# Altium PCB top_LM358.PcbDoc (part 5 of 6) (continued)
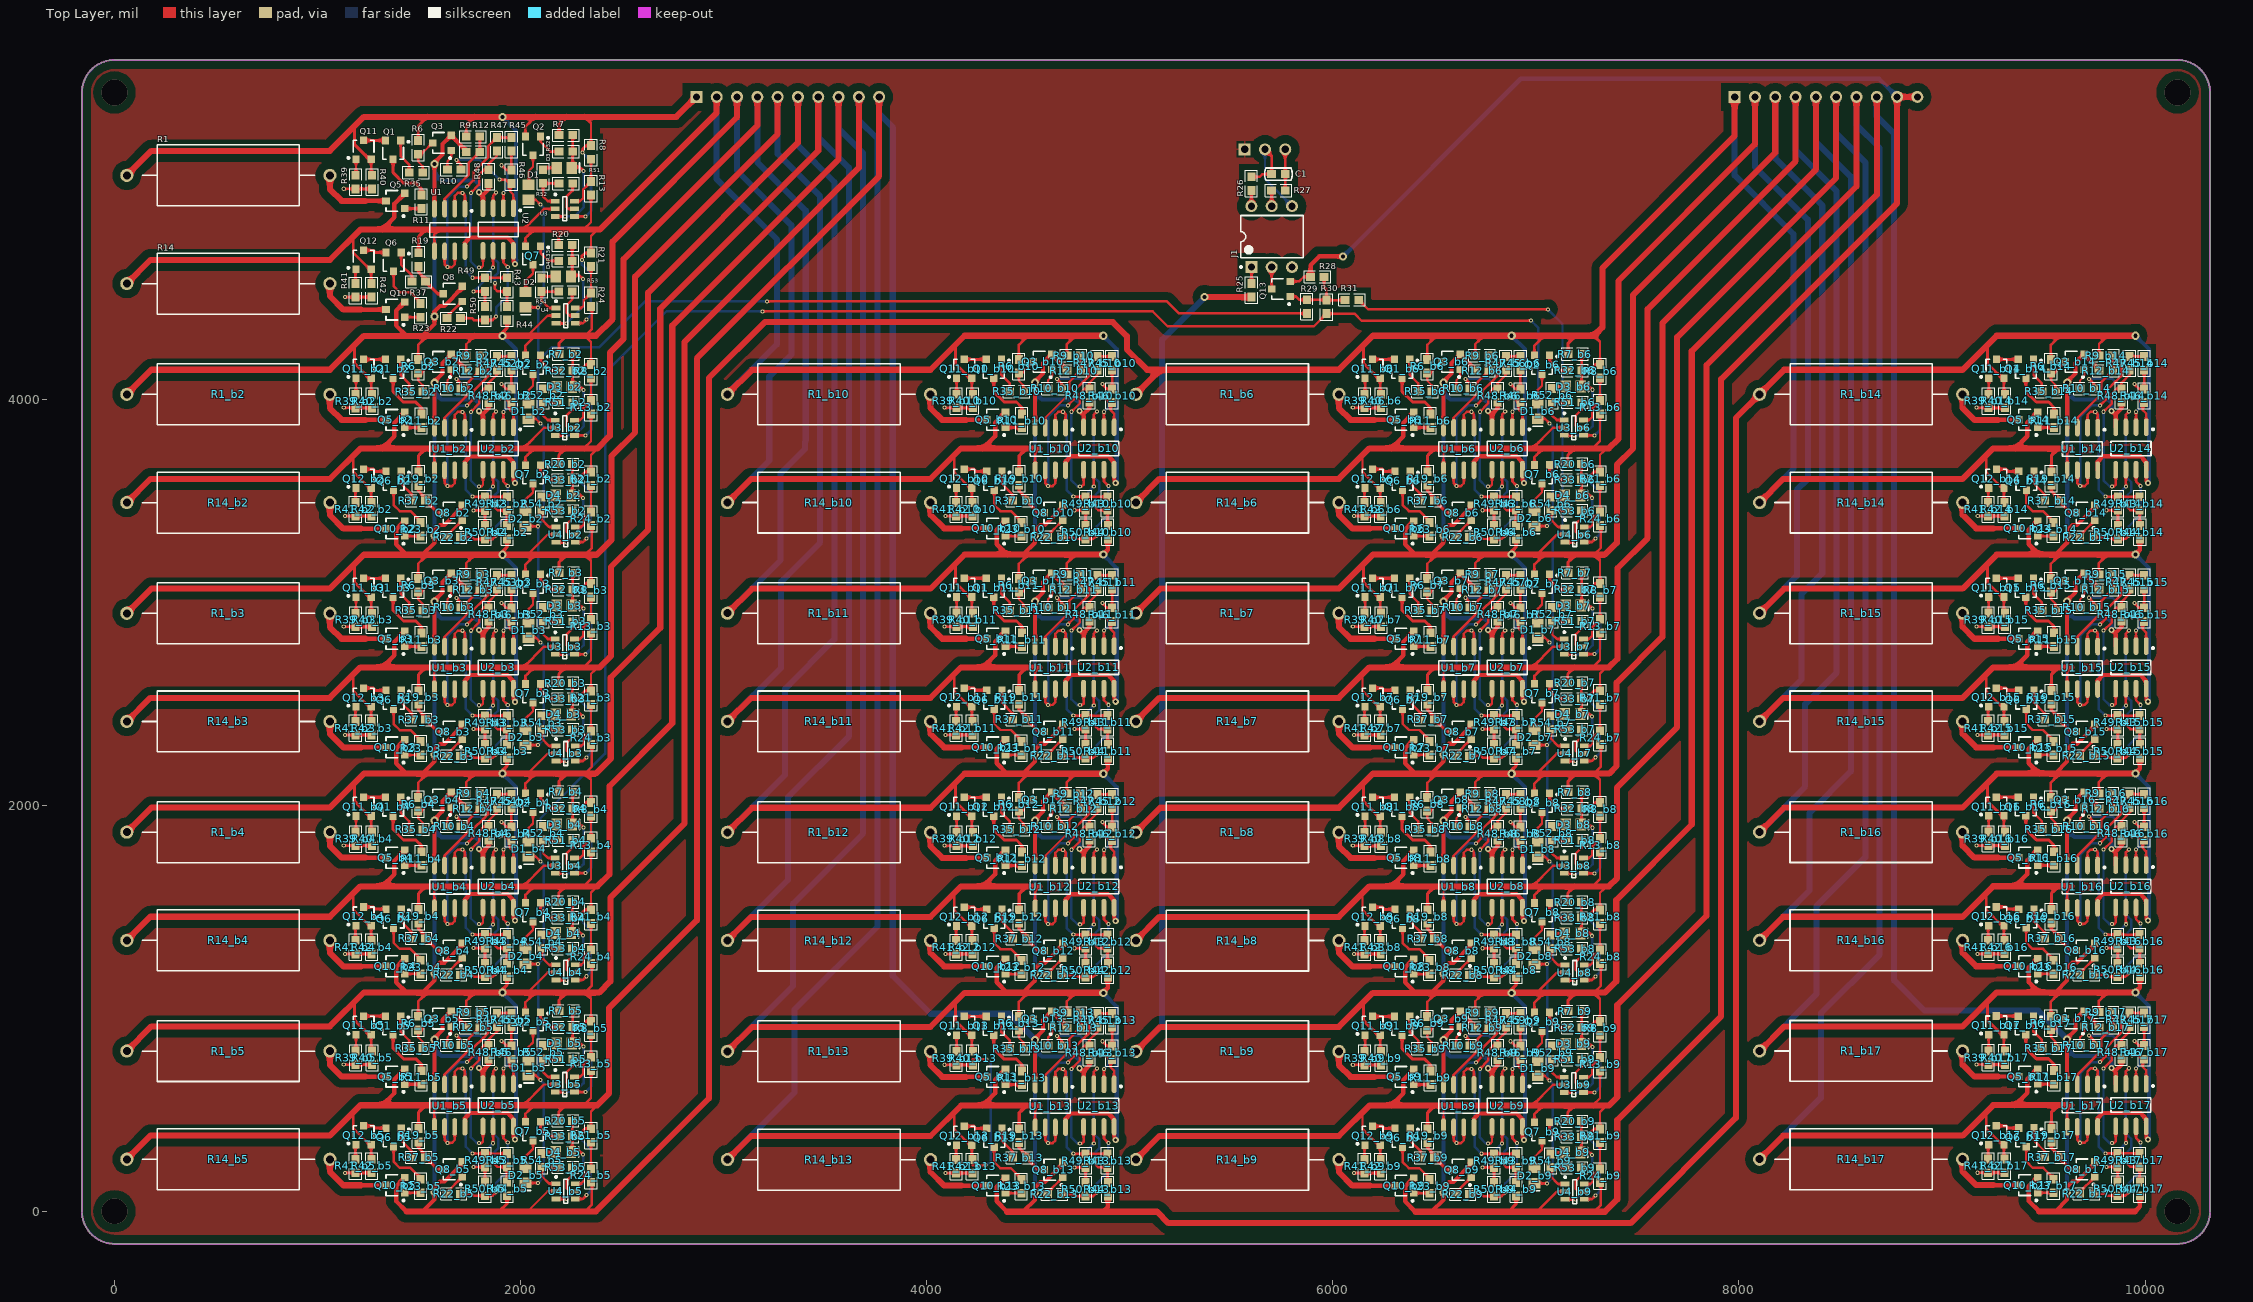
[diagram p0: Top Layer view]
## Nets (pads, with @x,y where several pads share a name; then routed paths per layer and width w, separated by ;. In a path a pad name is that pad's centre, name@x,y a point inside that pad or via, vN(x,y) a via of type N, cw(c..) or ccw(c..) an arc to the next point about the centre after c; other vN are vias at no path point) (continued)
  Top Layer w30: R14_b5.1@1060.82,256.26 1060.82,195.26 1127.55,128.54 1212.69,128.54
NetQ10_b6_1: Q10_b6.1 R23_b6.1 | length 78.1
  Top Layer w12: Q10_b6.1@6399.2,3325.45 R23_b6.1@6477.26,3325.45
NetQ10_b6_3: Q10_b6.3 R14_b6.1 | length 365.2
  Top Layer w22: 6181.94,3362.86 Q10_b6.3@6306.68,3362.86
  Top Layer w30: R14_b6.1@6030.08,3490.58 6030.08,3429.58 6096.8,3362.86 6181.94,3362.86
NetQ10_b7_1: Q10_b7.1 R23_b7.1 | length 78.1
  Top Layer w12: Q10_b7.1@6399.2,2247.45 R23_b7.1@6477.26,2247.45
NetQ10_b7_3: Q10_b7.3 R14_b7.1 | length 365.2
  Top Layer w22: 6181.94,2284.86 Q10_b7.3@6306.68,2284.86
  Top Layer w30: R14_b7.1@6030.08,2412.58 6030.08,2351.58 6096.8,2284.86 6181.94,2284.86
NetQ10_b8_1: Q10_b8.1 R23_b8.1 | length 78.1
  Top Layer w12: Q10_b8.1@6399.2,1168.45 R23_b8.1@6477.26,1168.45
NetQ10_b8_3: Q10_b8.3 R14_b8.1 | length 365.2
  Top Layer w22: 6181.94,1205.86 Q10_b8.3@6306.68,1205.86
  Top Layer w30: R14_b8.1@6030.08,1333.58 6030.08,1272.58 6096.8,1205.86 6181.94,1205.86
NetQ10_b9_1: Q10_b9.1 R23_b9.1 | length 78.1
  Top Layer w12: Q10_b9.1@6399.2,89.45 R23_b9.1@6477.26,89.45
NetQ10_b9_3: Q10_b9.3 R14_b9.1 | length 365.2
  Top Layer w22: 6181.94,126.86 Q10_b9.3@6306.68,126.86
  Top Layer w30: R14_b9.1@6030.08,254.58 6030.08,193.58 6096.8,126.86 6181.94,126.86
NetQ10_b10_1: Q10_b10.1 R23_b10.1 | length 78.1
  Top Layer w12: Q10_b10.1@4387.95,3325.45 R23_b10.1@4466.01,3325.45
NetQ10_b10_3: Q10_b10.3 R14_b10.1 | length 365.2
  Top Layer w22: 4170.69,3362.86 Q10_b10.3@4295.43,3362.86
  Top Layer w30: R14_b10.1@4018.82,3490.58 4018.82,3429.58 4085.55,3362.86 4170.69,3362.86
NetQ10_b11_1: Q10_b11.1 R23_b11.1 | length 78.1
  Top Layer w12: Q10_b11.1@4387.95,2247.45 R23_b11.1@4466.01,2247.45
NetQ10_b11_3: Q10_b11.3 R14_b11.1 | length 365.2
  Top Layer w22: 4170.69,2284.86 Q10_b11.3@4295.43,2284.86
  Top Layer w30: R14_b11.1@4018.82,2412.58 4018.82,2351.58 4085.55,2284.86 4170.69,2284.86
NetQ10_b12_1: Q10_b12.1 R23_b12.1 | length 78.1
  Top Layer w12: Q10_b12.1@4387.95,1168.45 R23_b12.1@4466.01,1168.45
NetQ10_b12_3: Q10_b12.3 R14_b12.1 | length 365.2
  Top Layer w22: 4170.69,1205.86 Q10_b12.3@4295.43,1205.86
  Top Layer w30: R14_b12.1@4018.82,1333.58 4018.82,1272.58 4085.55,1205.86 4170.69,1205.86
NetQ10_b13_1: Q10_b13.1 R23_b13.1 | length 78.1
  Top Layer w12: Q10_b13.1@4387.95,89.45 R23_b13.1@4466.01,89.45
NetQ10_b13_3: Q10_b13.3 R14_b13.1 | length 365.2
  Top Layer w22: 4170.69,126.86 Q10_b13.3@4295.43,126.86
  Top Layer w30: R14_b13.1@4018.82,254.58 4018.82,193.58 4085.55,126.86 4170.69,126.86
NetQ10_b14_1: Q10_b14.1 R23_b14.1 | length 78.1
  Top Layer w12: Q10_b14.1@9470.95,3325.45 R23_b14.1@9549.01,3325.45
NetQ10_b14_3: Q10_b14.3 R14_b14.1 | length 365.2
  Top Layer w22: 9253.69,3362.86 Q10_b14.3@9378.43,3362.86
  Top Layer w30: R14_b14.1@9101.82,3490.58 9101.82,3429.58 9168.55,3362.86 9253.69,3362.86
NetQ10_b15_1: Q10_b15.1 R23_b15.1 | length 78.1
  Top Layer w12: Q10_b15.1@9470.7,2247.45 R23_b15.1@9548.76,2247.45
NetQ10_b15_3: Q10_b15.3 R14_b15.1 | length 365.2
  Top Layer w22: 9253.44,2284.86 Q10_b15.3@9378.18,2284.86
  Top Layer w30: R14_b15.1@9101.57,2412.58 9101.57,2351.58 9168.3,2284.86 9253.44,2284.86
NetQ10_b16_1: Q10_b16.1 R23_b16.1 | length 78.1
  Top Layer w12: Q10_b16.1@9470.7,1169.45 R23_b16.1@9548.76,1169.45
NetQ10_b16_3: Q10_b16.3 R14_b16.1 | length 365.2
  Top Layer w22: 9253.44,1206.86 Q10_b16.3@9378.18,1206.86
  Top Layer w30: R14_b16.1@9101.57,1334.58 9101.57,1273.58 9168.3,1206.86 9253.44,1206.86
NetQ10_b17_1: Q10_b17.1 R23_b17.1 | length 78.1
  Top Layer w12: Q10_b17.1@9470.7,91.45 R23_b17.1@9548.76,91.45
NetQ10_b17_3: Q10_b17.3 R14_b17.1 | length 365.2
  Top Layer w22: 9253.44,128.86 Q10_b17.3@9378.18,128.86
  Top Layer w30: R14_b17.1@9101.57,256.58 9101.57,195.58 9168.3,128.86 9253.44,128.86
NetQ11_1: Q11.1 R39.2 | length 79.9
  Top Layer w12: R39.2@1187.82,5102.05 1189.42,5103.64 Q11.1@1189.42,5181.32
NetQ11_b2_1: Q11_b2.1 R39_b2.2 | length 79.9
  Top Layer w12: R39_b2.2@1187.82,4023.72 1189.42,4025.32 Q11_b2.1@1189.42,4103
NetQ11_b3_1: Q11_b3.1 R39_b3.2 | length 79.9
  Top Layer w12: R39_b3.2@1187.82,2945.72 1189.42,2947.32 Q11_b3.1@1189.42,3025
NetQ11_b4_1: Q11_b4.1 R39_b4.2 | length 79.9
  Top Layer w12: R39_b4.2@1187.82,1867.72 1189.42,1869.32 Q11_b4.1@1189.42,1947
NetQ11_b5_1: Q11_b5.1 R39_b5.2 | length 79.9
  Top Layer w12: R39_b5.2@1187.82,789.72 1189.42,791.32 Q11_b5.1@1189.42,869
NetQ11_b6_1: Q11_b6.1 R39_b6.2 | length 79.9
  Top Layer w12: R39_b6.2@6157.08,4024.05 6158.67,4025.64 Q11_b6.1@6158.67,4103.32
NetQ11_b7_1: Q11_b7.1 R39_b7.2 | length 79.9
  Top Layer w12: R39_b7.2@6157.08,2946.05 6158.67,2947.64 Q11_b7.1@6158.67,3025.32
NetQ11_b8_1: Q11_b8.1 R39_b8.2 | length 79.9
  Top Layer w12: R39_b8.2@6157.08,1867.05 6158.67,1868.64 Q11_b8.1@6158.67,1946.32
NetQ11_b9_1: Q11_b9.1 R39_b9.2 | length 79.9
  Top Layer w12: R39_b9.2@6157.08,788.05 6158.67,789.64 Q11_b9.1@6158.67,867.32
NetQ11_b10_1: Q11_b10.1 R39_b10.2 | length 79.9
  Top Layer w12: R39_b10.2@4145.82,4024.05 4147.42,4025.64 Q11_b10.1@4147.42,4103.32
NetQ11_b11_1: Q11_b11.1 R39_b11.2 | length 79.9
  Top Layer w12: R39_b11.2@4145.82,2946.05 4147.42,2947.64 Q11_b11.1@4147.42,3025.32
NetQ11_b12_1: Q11_b12.1 R39_b12.2 | length 79.9
  Top Layer w12: R39_b12.2@4145.82,1867.05 4147.42,1868.64 Q11_b12.1@4147.42,1946.32
NetQ11_b13_1: Q11_b13.1 R39_b13.2 | length 79.9
  Top Layer w12: R39_b13.2@4145.82,788.05 4147.42,789.64 Q11_b13.1@4147.42,867.32
NetQ11_b14_1: Q11_b14.1 R39_b14.2 | length 79.9
  Top Layer w12: R39_b14.2@9228.82,4024.05 9230.42,4025.64 Q11_b14.1@9230.42,4103.32
NetQ11_b15_1: Q11_b15.1 R39_b15.2 | length 79.9
  Top Layer w12: R39_b15.2@9228.57,2946.05 9230.17,2947.64 Q11_b15.1@9230.17,3025.32
NetQ11_b16_1: Q11_b16.1 R39_b16.2 | length 79.9
  Top Layer w12: R39_b16.2@9228.57,1868.05 9230.17,1869.64 Q11_b16.1@9230.17,1947.32
NetQ11_b17_1: Q11_b17.1 R39_b17.2 | length 79.9
  Top Layer w12: R39_b17.2@9228.57,790.05 9230.17,791.64 Q11_b17.1@9230.17,869.32
NetQ12_1: Q12.1 R41.1 | length 72.4
  Top Layer w12: R41.1@1186.82,4569.05 1186.82,4637.72 Q12.1@1189.42,4640.32
NetQ12_b2_1: Q12_b2.1 R41_b2.1 | length 72.4
  Top Layer w12: R41_b2.1@1186.82,3490.72 1186.82,3559.4 Q12_b2.1@1189.42,3562
NetQ12_b3_1: Q12_b3.1 R41_b3.1 | length 72.4
  Top Layer w12: R41_b3.1@1186.82,2412.72 1186.82,2481.4 Q12_b3.1@1189.42,2484
NetQ12_b4_1: Q12_b4.1 R41_b4.1 | length 72.4
  Top Layer w12: R41_b4.1@1186.82,1334.72 1186.82,1403.4 Q12_b4.1@1189.42,1406
NetQ12_b5_1: Q12_b5.1 R41_b5.1 | length 72.4
  Top Layer w12: R41_b5.1@1186.82,256.72 1186.82,325.4 Q12_b5.1@1189.42,328
NetQ12_b6_1: Q12_b6.1 R41_b6.1 | length 72.4
  Top Layer w12: R41_b6.1@6156.08,3491.05 6156.08,3559.72 Q12_b6.1@6158.67,3562.32
NetQ12_b7_1: Q12_b7.1 R41_b7.1 | length 72.4
  Top Layer w12: R41_b7.1@6156.08,2413.05 6156.08,2481.72 Q12_b7.1@6158.67,2484.32
NetQ12_b8_1: Q12_b8.1 R41_b8.1 | length 72.4
  Top Layer w12: R41_b8.1@6156.08,1334.05 6156.08,1402.72 Q12_b8.1@6158.67,1405.32
NetQ12_b9_1: Q12_b9.1 R41_b9.1 | length 72.4
  Top Layer w12: R41_b9.1@6156.08,255.05 6156.08,323.72 Q12_b9.1@6158.67,326.32
NetQ12_b10_1: Q12_b10.1 R41_b10.1 | length 72.4
  Top Layer w12: R41_b10.1@4144.82,3491.05 4144.82,3559.72 Q12_b10.1@4147.42,3562.32
NetQ12_b11_1: Q12_b11.1 R41_b11.1 | length 72.4
  Top Layer w12: R41_b11.1@4144.82,2413.05 4144.82,2481.72 Q12_b11.1@4147.42,2484.32
NetQ12_b12_1: Q12_b12.1 R41_b12.1 | length 72.4
  Top Layer w12: R41_b12.1@4144.82,1334.05 4144.82,1402.72 Q12_b12.1@4147.42,1405.32
NetQ12_b13_1: Q12_b13.1 R41_b13.1 | length 72.4
  Top Layer w12: R41_b13.1@4144.82,255.05 4144.82,323.72 Q12_b13.1@4147.42,326.32
NetQ12_b14_1: Q12_b14.1 R41_b14.1 | length 72.4
  Top Layer w12: R41_b14.1@9227.82,3491.05 9227.82,3559.72 Q12_b14.1@9230.42,3562.32
NetQ12_b15_1: Q12_b15.1 R41_b15.1 | length 72.4
  Top Layer w12: R41_b15.1@9227.57,2413.05 9227.57,2481.72 Q12_b15.1@9230.17,2484.32
NetQ12_b16_1: Q12_b16.1 R41_b16.1 | length 72.4
  Top Layer w12: R41_b16.1@9227.57,1335.05 9227.57,1403.72 Q12_b16.1@9230.17,1406.32
NetQ12_b17_1: Q12_b17.1 R41_b17.1 | length 72.4
  Top Layer w12: R41_b17.1@9227.57,257.05 9227.57,325.72 Q12_b17.1@9230.17,328.32
NetQ13_1: Q13.1 R28.2 R29.2 R30.2 R31.2 | length 394.2
  Top Layer w12: Q13.1@5791.08,4504.92 5819.23,4504.92 5835.36,4488.79 R29.2@5871.82,4488.79 R30.2@5968.82,4488.79 ; R28.2@5957.29,4602.32 5957.29,4552.86 5968.82,4541.32 R30.2@5968.82,4488.79 ; R31.2@6059.32,4487.79 R30.2@5968.82,4487.79 R30.2@5968.82,4488.79
NetR43_2: R43.2 R44.1 U2.3 | length 718.1
  Top Layer w12: U2.3@1864.82,4939.34 1864.82,5001.58 v1(1879.82,5016.58) ; v1(1873.82,4570.58) 1873.82,4543.58 1886.82,4530.58 1932.36,4530.58 R43.2@1932.82,4530.12 R44.1@1932.82,4457.05
  Bottom Layer w12: v1(1873.82,4570.58) 1873.82,4606.58 1890.82,4623.58 1890.82,4669.58 1864.82,4695.58 1864.82,5001.58 v1(1879.82,5016.58)
NetR43_b2_2: R43_b2.2 R44_b2.1 U2_b2.3 | length 718.1
  Top Layer w12: U2_b2.3@1864.82,3861.02 1864.82,3923.26 v1(1879.82,3938.26) ; v1(1873.82,3492.26) 1873.82,3465.26 1886.82,3452.26 1932.36,3452.26 R43_b2.2@1932.82,3451.8 R44_b2.1@1932.82,3378.72
  Bottom Layer w12: v1(1873.82,3492.26) 1873.82,3528.26 1890.82,3545.26 1890.82,3591.26 1864.82,3617.26 1864.82,3923.26 v1(1879.82,3938.26)
NetR43_b3_2: R43_b3.2 R44_b3.1 U2_b3.3 | length 718.1
  Top Layer w12: U2_b3.3@1864.82,2783.02 1864.82,2845.26 v1(1879.82,2860.26) ; v1(1873.82,2414.26) 1873.82,2387.26 1886.82,2374.26 1932.36,2374.26 R43_b3.2@1932.82,2373.8 R44_b3.1@1932.82,2300.72
  Bottom Layer w12: v1(1873.82,2414.26) 1873.82,2450.26 1890.82,2467.26 1890.82,2513.26 1864.82,2539.26 1864.82,2845.26 v1(1879.82,2860.26)
NetR43_b4_2: R43_b4.2 R44_b4.1 U2_b4.3 | length 718.1
  Top Layer w12: U2_b4.3@1864.82,1705.02 1864.82,1767.26 v1(1879.82,1782.26) ; v1(1873.82,1336.26) 1873.82,1309.26 1886.82,1296.26 1932.36,1296.26 R43_b4.2@1932.82,1295.8 R44_b4.1@1932.82,1222.72
  Bottom Layer w12: v1(1873.82,1336.26) 1873.82,1372.26 1890.82,1389.26 1890.82,1435.26 1864.82,1461.26 1864.82,1767.26 v1(1879.82,1782.26)
NetR43_b5_2: R43_b5.2 R44_b5.1 U2_b5.3 | length 718.1
  Top Layer w12: U2_b5.3@1864.82,627.02 1864.82,689.26 v1(1879.82,704.26) ; v1(1873.82,258.26) 1873.82,231.26 1886.82,218.26 1932.36,218.26 R43_b5.2@1932.82,217.8 R44_b5.1@1932.82,144.72
  Bottom Layer w12: v1(1873.82,258.26) 1873.82,294.26 1890.82,311.26 1890.82,357.26 1864.82,383.26 1864.82,689.26 v1(1879.82,704.26)
NetR43_b6_2: R43_b6.2 R44_b6.1 U2_b6.3 | length 718.1
  Top Layer w12: U2_b6.3@6834.08,3861.34 6834.08,3923.58 v1(6849.08,3938.58) ; v1(6843.08,3492.58) 6843.08,3465.58 6856.08,3452.58 6901.61,3452.58 R43_b6.2@6902.08,3452.12 R44_b6.1@6902.08,3379.05
  Bottom Layer w12: v1(6843.08,3492.58) 6843.08,3528.58 6860.08,3545.58 6860.08,3591.58 6834.08,3617.58 6834.08,3923.58 v1(6849.08,3938.58)
NetR43_b7_2: R43_b7.2 R44_b7.1 U2_b7.3 | length 718.1
  Top Layer w12: U2_b7.3@6834.08,2783.34 6834.08,2845.58 v1(6849.08,2860.58) ; v1(6843.08,2414.58) 6843.08,2387.58 6856.08,2374.58 6901.61,2374.58 R43_b7.2@6902.08,2374.12 R44_b7.1@6902.08,2301.05
  Bottom Layer w12: v1(6843.08,2414.58) 6843.08,2450.58 6860.08,2467.58 6860.08,2513.58 6834.08,2539.58 6834.08,2845.58 v1(6849.08,2860.58)
NetR43_b8_2: R43_b8.2 R44_b8.1 U2_b8.3 | length 718.1
  Top Layer w12: U2_b8.3@6834.08,1704.34 6834.08,1766.58 v1(6849.08,1781.58) ; v1(6843.08,1335.58) 6843.08,1308.58 6856.08,1295.58 6901.61,1295.58 R43_b8.2@6902.08,1295.12 R44_b8.1@6902.08,1222.05
  Bottom Layer w12: v1(6843.08,1335.58) 6843.08,1371.58 6860.08,1388.58 6860.08,1434.58 6834.08,1460.58 6834.08,1766.58 v1(6849.08,1781.58)
NetR43_b9_2: R43_b9.2 R44_b9.1 U2_b9.3 | length 718.1
  Top Layer w12: U2_b9.3@6834.08,625.34 6834.08,687.58 v1(6849.08,702.58) ; v1(6843.08,256.58) 6843.08,229.58 6856.08,216.58 6901.61,216.58 R43_b9.2@6902.08,216.12 R44_b9.1@6902.08,143.05
  Bottom Layer w12: v1(6843.08,256.58) 6843.08,292.58 6860.08,309.58 6860.08,355.58 6834.08,381.58 6834.08,687.58 v1(6849.08,702.58)
NetR43_b10_2: R43_b10.2 R44_b10.1 U2_b10.3 | length 718.1
  Top Layer w12: U2_b10.3@4822.82,3861.34 4822.82,3923.58 v1(4837.82,3938.58) ; v1(4831.82,3492.58) 4831.82,3465.58 4844.82,3452.58 4890.36,3452.58 R43_b10.2@4890.82,3452.12 R44_b10.1@4890.82,3379.05
  Bottom Layer w12: v1(4831.82,3492.58) 4831.82,3528.58 4848.82,3545.58 4848.82,3591.58 4822.82,3617.58 4822.82,3923.58 v1(4837.82,3938.58)
NetR43_b11_2: R43_b11.2 R44_b11.1 U2_b11.3 | length 718.1
  Top Layer w12: U2_b11.3@4822.82,2783.34 4822.82,2845.58 v1(4837.82,2860.58) ; v1(4831.82,2414.58) 4831.82,2387.58 4844.82,2374.58 4890.36,2374.58 R43_b11.2@4890.82,2374.12 R44_b11.1@4890.82,2301.05
  Bottom Layer w12: v1(4831.82,2414.58) 4831.82,2450.58 4848.82,2467.58 4848.82,2513.58 4822.82,2539.58 4822.82,2845.58 v1(4837.82,2860.58)
NetR43_b12_2: R43_b12.2 R44_b12.1 U2_b12.3 | length 718.1
  Top Layer w12: U2_b12.3@4822.82,1704.34 4822.82,1766.58 v1(4837.82,1781.58) ; v1(4831.82,1335.58) 4831.82,1308.58 4844.82,1295.58 4890.36,1295.58 R43_b12.2@4890.82,1295.12 R44_b12.1@4890.82,1222.05
  Bottom Layer w12: v1(4831.82,1335.58) 4831.82,1371.58 4848.82,1388.58 4848.82,1434.58 4822.82,1460.58 4822.82,1766.58 v1(4837.82,1781.58)
NetR43_b13_2: R43_b13.2 R44_b13.1 U2_b13.3 | length 718.1
  Top Layer w12: U2_b13.3@4822.82,625.34 4822.82,687.58 v1(4837.82,702.58) ; v1(4831.82,256.58) 4831.82,229.58 4844.82,216.58 4890.36,216.58 R43_b13.2@4890.82,216.12 R44_b13.1@4890.82,143.05
  Bottom Layer w12: v1(4831.82,256.58) 4831.82,292.58 4848.82,309.58 4848.82,355.58 4822.82,381.58 4822.82,687.58 v1(4837.82,702.58)
NetR43_b14_2: R43_b14.2 R44_b14.1 U2_b14.3 | length 718.1
  Top Layer w12: U2_b14.3@9905.82,3861.34 9905.82,3923.58 v1(9920.82,3938.58) ; v1(9914.82,3492.58) 9914.82,3465.58 9927.82,3452.58 9973.36,3452.58 R43_b14.2@9973.82,3452.12 R44_b14.1@9973.82,3379.05
  Bottom Layer w12: v1(9914.82,3492.58) 9914.82,3528.58 9931.82,3545.58 9931.82,3591.58 9905.82,3617.58 9905.82,3923.58 v1(9920.82,3938.58)
NetR43_b15_2: R43_b15.2 R44_b15.1 U2_b15.3 | length 718.1
  Top Layer w12: U2_b15.3@9905.57,2783.34 9905.57,2845.58 v1(9920.57,2860.58) ; v1(9914.57,2414.58) 9914.57,2387.58 9927.57,2374.58 9973.11,2374.58 R43_b15.2@9973.57,2374.12 R44_b15.1@9973.57,2301.05
  Bottom Layer w12: v1(9914.57,2414.58) 9914.57,2450.58 9931.57,2467.58 9931.57,2513.58 9905.57,2539.58 9905.57,2845.58 v1(9920.57,2860.58)
NetR43_b16_2: R43_b16.2 R44_b16.1 U2_b16.3 | length 718.1
  Top Layer w12: U2_b16.3@9905.57,1705.34 9905.57,1767.58 v1(9920.57,1782.58) ; v1(9914.57,1336.58) 9914.57,1309.58 9927.57,1296.58 9973.11,1296.58 R43_b16.2@9973.57,1296.12 R44_b16.1@9973.57,1223.05
  Bottom Layer w12: v1(9914.57,1336.58) 9914.57,1372.58 9931.57,1389.58 9931.57,1435.58 9905.57,1461.58 9905.57,1767.58 v1(9920.57,1782.58)
NetR43_b17_2: R43_b17.2 R44_b17.1 U2_b17.3 | length 718.1
  Top Layer w12: U2_b17.3@9905.57,627.34 9905.57,689.58 v1(9920.57,704.58) ; v1(9914.57,258.58) 9914.57,231.58 9927.57,218.58 9973.11,218.58 R43_b17.2@9973.57,218.12 R44_b17.1@9973.57,145.05
  Bottom Layer w12: v1(9914.57,258.58) 9914.57,294.58 9931.57,311.58 9931.57,357.58 9905.57,383.58 9905.57,689.58 v1(9920.57,704.58)
NetR45_2: R45.2 R46.1 U2.2 | length 382.9
  Top Layer w12: v1(1906.82,5151.58) 1930.36,5128.05 R46.1@1954.82,5128.05 R45.2@1954.82,5221.12 ; U2.2@1914.82,4939.34 v1(1914.82,5015.58)
  Bottom Layer w12: v1(1906.82,5151.58) 1934.82,5123.58 1934.82,5035.58 v1(1914.82,5015.58)
NetR45_b2_2: R45_b2.2 R46_b2.1 U2_b2.2 | length 382.9
  Top Layer w12: v1(1906.82,4073.26) 1930.36,4049.72 R46_b2.1@1954.82,4049.72 R45_b2.2@1954.82,4142.8 ; U2_b2.2@1914.82,3861.02 v1(1914.82,3937.26)
  Bottom Layer w12: v1(1906.82,4073.26) 1934.82,4045.26 1934.82,3957.26 v1(1914.82,3937.26)
NetR45_b3_2: R45_b3.2 R46_b3.1 U2_b3.2 | length 382.9
  Top Layer w12: v1(1906.82,2995.26) 1930.36,2971.72 R46_b3.1@1954.82,2971.72 R45_b3.2@1954.82,3064.8 ; U2_b3.2@1914.82,2783.02 v1(1914.82,2859.26)
  Bottom Layer w12: v1(1906.82,2995.26) 1934.82,2967.26 1934.82,2879.26 v1(1914.82,2859.26)
NetR45_b4_2: R45_b4.2 R46_b4.1 U2_b4.2 | length 382.9
  Top Layer w12: v1(1906.82,1917.26) 1930.36,1893.72 R46_b4.1@1954.82,1893.72 R45_b4.2@1954.82,1986.8 ; U2_b4.2@1914.82,1705.02 v1(1914.82,1781.26)
  Bottom Layer w12: v1(1906.82,1917.26) 1934.82,1889.26 1934.82,1801.26 v1(1914.82,1781.26)
NetR45_b5_2: R45_b5.2 R46_b5.1 U2_b5.2 | length 382.9
  Top Layer w12: v1(1906.82,839.26) 1930.36,815.72 R46_b5.1@1954.82,815.72 R45_b5.2@1954.82,908.8 ; U2_b5.2@1914.82,627.02 v1(1914.82,703.26)
  Bottom Layer w12: v1(1906.82,839.26) 1934.82,811.26 1934.82,723.26 v1(1914.82,703.26)
NetR45_b6_2: R45_b6.2 R46_b6.1 U2_b6.2 | length 382.9
  Top Layer w12: v1(6876.08,4073.58) 6899.61,4050.05 R46_b6.1@6924.08,4050.05 R45_b6.2@6924.08,4143.12 ; U2_b6.2@6884.08,3861.34 v1(6884.08,3937.58)
  Bottom Layer w12: v1(6876.08,4073.58) 6904.08,4045.58 6904.08,3957.58 v1(6884.08,3937.58)
NetR45_b7_2: R45_b7.2 R46_b7.1 U2_b7.2 | length 382.9
  Top Layer w12: v1(6876.08,2995.58) 6899.61,2972.05 R46_b7.1@6924.08,2972.05 R45_b7.2@6924.08,3065.12 ; U2_b7.2@6884.08,2783.34 v1(6884.08,2859.58)
  Bottom Layer w12: v1(6876.08,2995.58) 6904.08,2967.58 6904.08,2879.58 v1(6884.08,2859.58)
NetR45_b8_2: R45_b8.2 R46_b8.1 U2_b8.2 | length 382.9
  Top Layer w12: v1(6876.08,1916.58) 6899.61,1893.05 R46_b8.1@6924.08,1893.05 R45_b8.2@6924.08,1986.12 ; U2_b8.2@6884.08,1704.34 v1(6884.08,1780.58)
  Bottom Layer w12: v1(6876.08,1916.58) 6904.08,1888.58 6904.08,1800.58 v1(6884.08,1780.58)
NetR45_b9_2: R45_b9.2 R46_b9.1 U2_b9.2 | length 382.9
  Top Layer w12: v1(6876.08,837.58) 6899.61,814.05 R46_b9.1@6924.08,814.05 R45_b9.2@6924.08,907.12 ; U2_b9.2@6884.08,625.34 v1(6884.08,701.58)
  Bottom Layer w12: v1(6876.08,837.58) 6904.08,809.58 6904.08,721.58 v1(6884.08,701.58)
NetR45_b10_2: R45_b10.2 R46_b10.1 U2_b10.2 | length 382.9
  Top Layer w12: v1(4864.82,4073.58) 4888.36,4050.05 R46_b10.1@4912.82,4050.05 R45_b10.2@4912.82,4143.12 ; U2_b10.2@4872.82,3861.34 v1(4872.82,3937.58)
  Bottom Layer w12: v1(4864.82,4073.58) 4892.82,4045.58 4892.82,3957.58 v1(4872.82,3937.58)
NetR45_b11_2: R45_b11.2 R46_b11.1 U2_b11.2 | length 382.9
  Top Layer w12: v1(4864.82,2995.58) 4888.36,2972.05 R46_b11.1@4912.82,2972.05 R45_b11.2@4912.82,3065.12 ; U2_b11.2@4872.82,2783.34 v1(4872.82,2859.58)
  Bottom Layer w12: v1(4864.82,2995.58) 4892.82,2967.58 4892.82,2879.58 v1(4872.82,2859.58)
NetR45_b12_2: R45_b12.2 R46_b12.1 U2_b12.2 | length 382.9
  Top Layer w12: v1(4864.82,1916.58) 4888.36,1893.05 R46_b12.1@4912.82,1893.05 R45_b12.2@4912.82,1986.12 ; U2_b12.2@4872.82,1704.34 v1(4872.82,1780.58)
  Bottom Layer w12: v1(4864.82,1916.58) 4892.82,1888.58 4892.82,1800.58 v1(4872.82,1780.58)
NetR45_b13_2: R45_b13.2 R46_b13.1 U2_b13.2 | length 382.9
  Top Layer w12: v1(4864.82,837.58) 4888.36,814.05 R46_b13.1@4912.82,814.05 R45_b13.2@4912.82,907.12 ; U2_b13.2@4872.82,625.34 v1(4872.82,701.58)
  Bottom Layer w12: v1(4864.82,837.58) 4892.82,809.58 4892.82,721.58 v1(4872.82,701.58)
NetR45_b14_2: R45_b14.2 R46_b14.1 U2_b14.2 | length 382.9
  Top Layer w12: v1(9947.82,4073.58) 9971.36,4050.05 R46_b14.1@9995.82,4050.05 R45_b14.2@9995.82,4143.12 ; U2_b14.2@9955.82,3861.34 v1(9955.82,3937.58)
  Bottom Layer w12: v1(9947.82,4073.58) 9975.82,4045.58 9975.82,3957.58 v1(9955.82,3937.58)
NetR45_b15_2: R45_b15.2 R46_b15.1 U2_b15.2 | length 382.9
  Top Layer w12: v1(9947.57,2995.58) 9971.11,2972.05 R46_b15.1@9995.57,2972.05 R45_b15.2@9995.57,3065.12 ; U2_b15.2@9955.57,2783.34 v1(9955.57,2859.58)
  Bottom Layer w12: v1(9947.57,2995.58) 9975.57,2967.58 9975.57,2879.58 v1(9955.57,2859.58)
NetR45_b16_2: R45_b16.2 R46_b16.1 U2_b16.2 | length 382.9
  Top Layer w12: v1(9947.57,1917.58) 9971.11,1894.05 R46_b16.1@9995.57,1894.05 R45_b16.2@9995.57,1987.12 ; U2_b16.2@9955.57,1705.34 v1(9955.57,1781.58)
  Bottom Layer w12: v1(9947.57,1917.58) 9975.57,1889.58 9975.57,1801.58 v1(9955.57,1781.58)
NetR45_b17_2: R45_b17.2 R46_b17.1 U2_b17.2 | length 382.9
  Top Layer w12: v1(9947.57,839.58) 9971.11,816.05 R46_b17.1@9995.57,816.05 R45_b17.2@9995.57,909.12 ; U2_b17.2@9955.57,627.34 v1(9955.57,703.58)
  Bottom Layer w12: v1(9947.57,839.58) 9975.57,811.58 9975.57,723.58 v1(9955.57,703.58)
NetR47_2: R47.2 R48.1 U2.5 | length 759.5
  Top Layer w12: v1(1754.82,5015.58) 1795.82,5056.58 1795.82,5105.58 1819.29,5129.05 R48.1@1842.82,5129.05 1842.82,5157.58 1882.82,5197.58 R47.2@1882.82,5221.12 ; v1(1795.82,4648.58) 1806.82,4648.58 1814.82,4656.58 U2.5@1814.82,4730.37
  Bottom Layer w12: v1(1754.82,5015.58) 1754.82,4677.58 1783.82,4648.58 v1(1795.82,4648.58)
NetR47_b2_2: R47_b2.2 R48_b2.1 U2_b2.5 | length 759.5
  Top Layer w12: v1(1754.82,3937.26) 1795.82,3978.26 1795.82,4027.26 1819.29,4050.72 R48_b2.1@1842.82,4050.72 1842.82,4079.26 1882.82,4119.26 R47_b2.2@1882.82,4142.8 ; v1(1795.82,3570.26) 1806.82,3570.26 1814.82,3578.26 U2_b2.5@1814.82,3652.05
  Bottom Layer w12: v1(1754.82,3937.26) 1754.82,3599.26 1783.82,3570.26 v1(1795.82,3570.26)
NetR47_b3_2: R47_b3.2 R48_b3.1 U2_b3.5 | length 759.5
  Top Layer w12: v1(1754.82,2859.26) 1795.82,2900.26 1795.82,2949.26 1819.29,2972.72 R48_b3.1@1842.82,2972.72 1842.82,3001.26 1882.82,3041.26 R47_b3.2@1882.82,3064.8 ; v1(1795.82,2492.26) 1806.82,2492.26 1814.82,2500.26 U2_b3.5@1814.82,2574.05
  Bottom Layer w12: v1(1754.82,2859.26) 1754.82,2521.26 1783.82,2492.26 v1(1795.82,2492.26)
NetR47_b4_2: R47_b4.2 R48_b4.1 U2_b4.5 | length 759.5
  Top Layer w12: v1(1754.82,1781.26) 1795.82,1822.26 1795.82,1871.26 1819.29,1894.72 R48_b4.1@1842.82,1894.72 1842.82,1923.26 1882.82,1963.26 R47_b4.2@1882.82,1986.8 ; v1(1795.82,1414.26) 1806.82,1414.26 1814.82,1422.26 U2_b4.5@1814.82,1496.05
  Bottom Layer w12: v1(1754.82,1781.26) 1754.82,1443.26 1783.82,1414.26 v1(1795.82,1414.26)
NetR47_b5_2: R47_b5.2 R48_b5.1 U2_b5.5 | length 759.5
  Top Layer w12: v1(1754.82,703.26) 1795.82,744.26 1795.82,793.26 1819.29,816.72 R48_b5.1@1842.82,816.72 1842.82,845.26 1882.82,885.26 R47_b5.2@1882.82,908.8 ; v1(1795.82,336.26) 1806.82,336.26 1814.82,344.26 U2_b5.5@1814.82,418.05
  Bottom Layer w12: v1(1754.82,703.26) 1754.82,365.26 1783.82,336.26 v1(1795.82,336.26)
NetR47_b6_2: R47_b6.2 R48_b6.1 U2_b6.5 | length 759.5
  Top Layer w12: v1(6724.08,3937.58) 6765.08,3978.58 6765.08,4027.58 6788.54,4051.05 R48_b6.1@6812.08,4051.05 6812.08,4079.58 6852.08,4119.58 R47_b6.2@6852.08,4143.12 ; v1(6765.08,3570.58) 6776.08,3570.58 6784.08,3578.58 U2_b6.5@6784.08,3652.37
  Bottom Layer w12: v1(6724.08,3937.58) 6724.08,3599.58 6753.08,3570.58 v1(6765.08,3570.58)
NetR47_b7_2: R47_b7.2 R48_b7.1 U2_b7.5 | length 759.5
  Top Layer w12: v1(6724.08,2859.58) 6765.08,2900.58 6765.08,2949.58 6788.54,2973.05 R48_b7.1@6812.08,2973.05 6812.08,3001.58 6852.08,3041.58 R47_b7.2@6852.08,3065.12 ; v1(6765.08,2492.58) 6776.08,2492.58 6784.08,2500.58 U2_b7.5@6784.08,2574.37
  Bottom Layer w12: v1(6724.08,2859.58) 6724.08,2521.58 6753.08,2492.58 v1(6765.08,2492.58)
NetR47_b8_2: R47_b8.2 R48_b8.1 U2_b8.5 | length 759.5
  Top Layer w12: v1(6724.08,1780.58) 6765.08,1821.58 6765.08,1870.58 6788.54,1894.05 R48_b8.1@6812.08,1894.05 6812.08,1922.58 6852.08,1962.58 R47_b8.2@6852.08,1986.12 ; v1(6765.08,1413.58) 6776.08,1413.58 6784.08,1421.58 U2_b8.5@6784.08,1495.37
  Bottom Layer w12: v1(6724.08,1780.58) 6724.08,1442.58 6753.08,1413.58 v1(6765.08,1413.58)
NetR47_b9_2: R47_b9.2 R48_b9.1 U2_b9.5 | length 759.5
  Top Layer w12: v1(6724.08,701.58) 6765.08,742.58 6765.08,791.58 6788.54,815.05 R48_b9.1@6812.08,815.05 6812.08,843.58 6852.08,883.58 R47_b9.2@6852.08,907.12 ; v1(6765.08,334.58) 6776.08,334.58 6784.08,342.58 U2_b9.5@6784.08,416.37
  Bottom Layer w12: v1(6724.08,701.58) 6724.08,363.58 6753.08,334.58 v1(6765.08,334.58)
NetR47_b10_2: R47_b10.2 R48_b10.1 U2_b10.5 | length 759.5
  Top Layer w12: v1(4712.82,3937.58) 4753.82,3978.58 4753.82,4027.58 4777.29,4051.05 R48_b10.1@4800.82,4051.05 4800.82,4079.58 4840.82,4119.58 R47_b10.2@4840.82,4143.12 ; v1(4753.82,3570.58) 4764.82,3570.58 4772.82,3578.58 U2_b10.5@4772.82,3652.37
  Bottom Layer w12: v1(4712.82,3937.58) 4712.82,3599.58 4741.82,3570.58 v1(4753.82,3570.58)
NetR47_b11_2: R47_b11.2 R48_b11.1 U2_b11.5 | length 759.5
  Top Layer w12: v1(4712.82,2859.58) 4753.82,2900.58 4753.82,2949.58 4777.29,2973.05 R48_b11.1@4800.82,2973.05 4800.82,3001.58 4840.82,3041.58 R47_b11.2@4840.82,3065.12 ; v1(4753.82,2492.58) 4764.82,2492.58 4772.82,2500.58 U2_b11.5@4772.82,2574.37
  Bottom Layer w12: v1(4712.82,2859.58) 4712.82,2521.58 4741.82,2492.58 v1(4753.82,2492.58)
NetR47_b12_2: R47_b12.2 R48_b12.1 U2_b12.5 | length 759.5
  Top Layer w12: v1(4712.82,1780.58) 4753.82,1821.58 4753.82,1870.58 4777.29,1894.05 R48_b12.1@4800.82,1894.05 4800.82,1922.58 4840.82,1962.58 R47_b12.2@4840.82,1986.12 ; v1(4753.82,1413.58) 4764.82,1413.58 4772.82,1421.58 U2_b12.5@4772.82,1495.37
  Bottom Layer w12: v1(4712.82,1780.58) 4712.82,1442.58 4741.82,1413.58 v1(4753.82,1413.58)
NetR47_b13_2: R47_b13.2 R48_b13.1 U2_b13.5 | length 759.5
  Top Layer w12: v1(4712.82,701.58) 4753.82,742.58 4753.82,791.58 4777.29,815.05 R48_b13.1@4800.82,815.05 4800.82,843.58 4840.82,883.58 R47_b13.2@4840.82,907.12 ; v1(4753.82,334.58) 4764.82,334.58 4772.82,342.58 U2_b13.5@4772.82,416.37
  Bottom Layer w12: v1(4712.82,701.58) 4712.82,363.58 4741.82,334.58 v1(4753.82,334.58)